# KiCad board RADAR_Main_Board.kicad_pcb (continued)
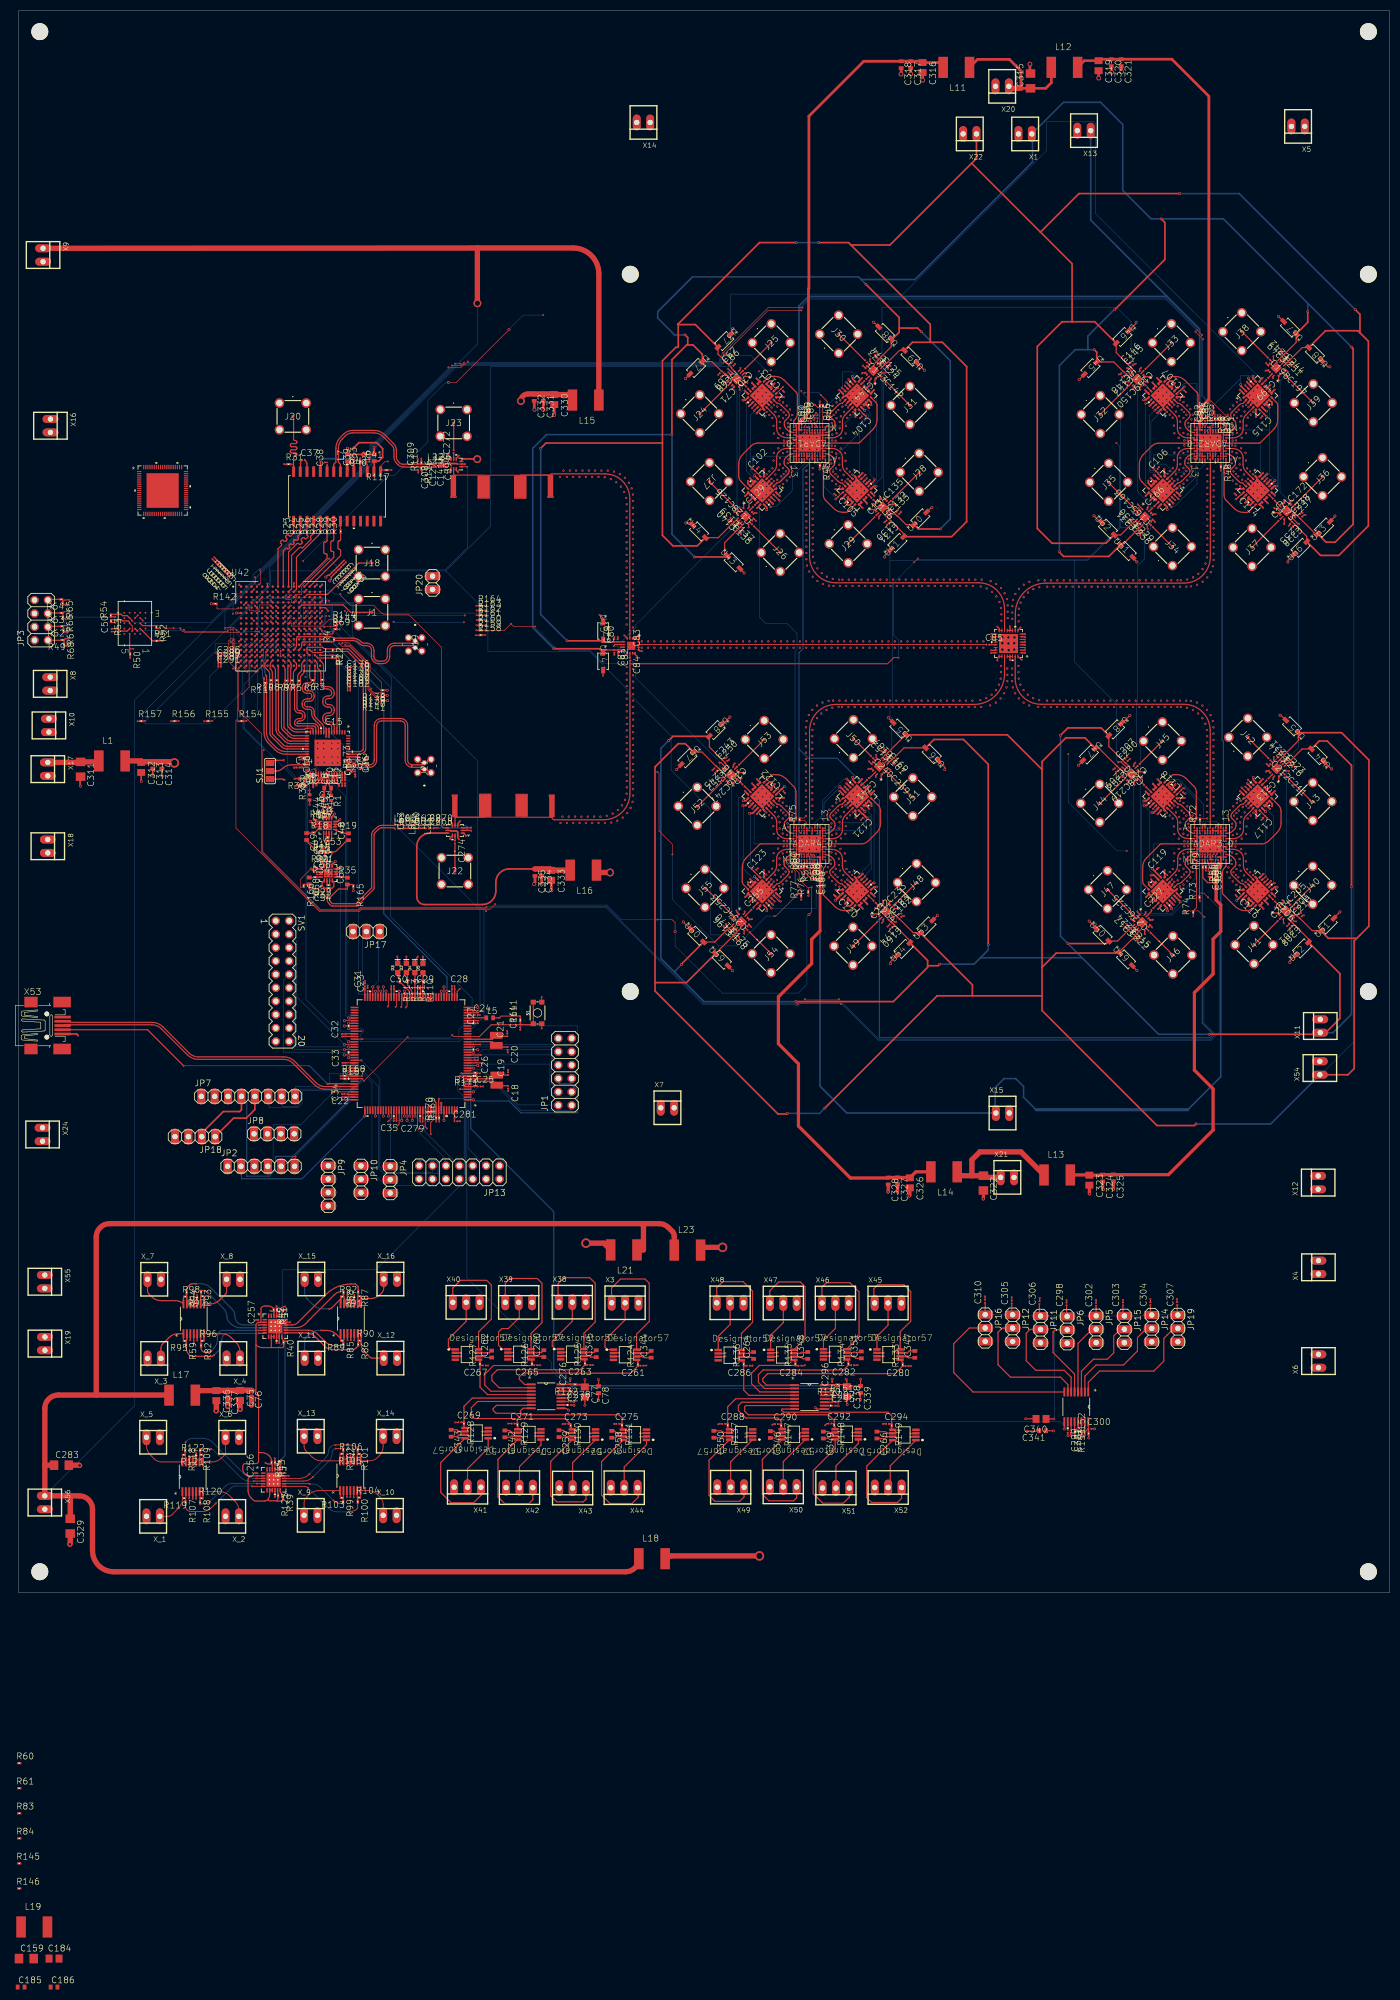
[diagram p0: board, top side]
## Routing (per net, layer and track width the routed paths; a pad name or vN(x,y) marks a point on that pad's centre or on a via; arc(x,y) is an arc through that point) (continued)
  Top w0.5: C315.2 191.8,288.18 v4(191.8,289.85) ; v4(167.35,287.95) 167.38,287.98 C318.2 ; v6(101.03,133.23) 101.03,134.98 arc(101.01,135.04) C333.2 ; C317.2 169.2,289.09 v4(169.2,288) ; v4(204.85,287.2) 204.85,288.57 C319.2 ; C321.2 209.2,289.41 v4(209.2,288.4) ; C334.2 99.19,134.42 arc(99.18,134.37) v6(99.15,134.32) ; C330.2 101.58,223.43 arc(101.57,223.36) v6(101.53,223.3) ; C331.2 99.5,224.34 arc(99.5,224.33) v6(99.5,224.33) ; C332.2 97.79,224.42 arc(97.8,224.37) v6(97.82,224.33) ; v4(171.45,286.8) 171.45,288.22 C316.2 ; C320.2 207.3,289.41 v4(207.3,288.3) ; C335.2 97.93,134.75 arc(97.89,134.55) v6(97.78,134.38)
  Top w0.6: v5(182.97,74.7) 182.98,74.71 C322.2 ; v5(205.69,76.47) 205.59,76.58 C324.2 ; v5(207.6,76.51) 207.63,76.54 C325.2 ; v5(164.9,76) 164.93,76.04 C328.2 ; v5(166.66,76.03) 166.69,76.06 C327.2 ; C326.2 169.03,75.38 v5(168.9,75.26) ; v5(203.12,75.66) 203.08,75.69 C323.2
  Top w1: C76.2 44.17,35.66 arc(44.17,35.63) v6(44.15,35.6) ; C336.2 37.48,34.57 arc(37.47,34.53) v6(37.45,34.5) ; C283.2 11.43,24.2 arc(11.49,24.19) v6(11.55,24.15) ; C337.2 39.69,35.45 arc(39.68,35.39) v6(39.65,35.35) ; C329.2 9.78,9.39 arc(9.76,9.29) v6(9.7,9.2) ; C75.2 41.98,34.85 arc(41.99,34.82) v6(42,34.8)
  Bottom w0.1: v1(212.5,127) v1(212.85,127.35) ; v1(163.6,205.6) 163.5,205.5 163.25,205.75 v1(163.25,206) ; v1(136.45,127.1) 136.5,127.25 136.75,127.5 v1(136.8,127.45) ; v1(237.95,232.2) v1(238.3,232.55) ; v1(238.85,156) 239,156 239.25,156.25 v1(239.2,156.35) ; v1(138.5,204.25) v1(138.15,203.9) ; v1(213.7,127.15) 213.75,127 213.5,126.75 v1(213.35,126.8) ; v1(161.4,231.7) 161.5,231.75 161.75,232 v1(161.75,232.05) ; v1(213.5,203.35) 213.5,203.5 213.75,203.75 v1(213.85,203.65) ; v1(239.95,205.35) 240,205.25 v1(240.3,204.95) ; v1(164.4,129.8) 164.5,129.75 164.75,129.5 v1(164.75,129.45) ; v1(137.3,126.9) 137.25,126.75 137,126.75 v1(136.95,126.6) ; v1(163.8,156.8) v1(163.45,156.45) ; v1(134.8,154.85) 134.75,155 134.5,155.25 v1(134.5,155.2) ; v1(213.75,204.55) 213.75,204.5 213.5,204.25 v1(213.35,204.2) ; v1(136.25,229.5) v1(135.9,229.85) ; v1(240.85,205.45) 240.75,205.5 240.5,205.75 v1(240.5,205.8) ; v1(240.2,129.9) 240.25,129.75 240.5,129.5 v1(240.55,129.55) ; v1(164.15,206.1) 164.5,205.75 v1(164.45,205.75) ; v1(210.8,155) 210.75,155 210.5,155.25 v1(210.5,155.35) ; v1(211.35,155.5) 211.5,155.5 211.75,155.25 v1(211.7,155.1) ; v1(162.95,157) 163,157 v1(163.3,157.3) ; v1(212.45,230.4) 212.5,230.5 212.25,230.75 v1(212.1,230.75) ; v1(137.65,204.45) 137.75,204.5 v1(138.05,204.8) ; 135,155.75 v1(135,155.7) 135,155.5 135.25,155.25 v1(135.35,155.35) ; v1(238.8,232) 238.75,232 v1(238.4,231.65) ; v1(136.45,230.35) 136.5,230.5 136.25,230.75 v1(136.1,230.7) ; v1(164.55,128.6) 164.5,128.75 164.25,129 v1(164.2,128.95) ; v1(239.7,129.4) 239.75,129.25 240,129 v1(240,129.05) ; v1(238.35,156.55) 238.5,156.5 238.75,156.75 v1(238.7,156.85) ; v1(211.9,229.9) 212,230 211.75,230.25 v1(211.6,230.25) ; v1(161.9,231.15) v1(162.25,231.5)
  vias: v1(82,207.8) v1(82.25,151.15) v1(82.45,207.8) v1(82.7,151.15) v1(82.9,207.8) v1(83.15,151.15) v1(87.2,207.65) v1(87.45,151.3) v1(87.65,207.65) v1(87.95,151.3) v1(88.15,207.65) v1(88.45,151.3) v1(88.65,207.65) v1(88.95,151.3) v1(89.15,207.65) v1(89.4,151.3) v1(94.15,207.65) v1(94.4,151.3) v1(94.6,207.65) v1(94.9,151.3) v1(95.1,207.65) v1(95.4,151.3) v1(95.6,207.65) v1(95.9,151.3) v1(96.1,207.65) v1(96.35,151.3) v1(100.4,207.8) v1(100.65,151.15) v1(100.85,207.8) v1(101.1,151.15) v1(101.3,207.8) v1(101.55,151.15) v1(115.68,180.04) v1(115.68,179.59) v1(115.68,179.09) v1(116.18,180.04) v1(116.18,179.09) v1(116.68,180.04) v1(116.68,179.59) v1(116.68,179.09) v1(135.15,154.5) v1(135.6,230.2) v1(135.7,154.95) v1(136.8,229.95) v1(137.2,127.8) v1(137.3,204.1) v1(137.65,127.25) v1(137.8,203.6) v1(146.57,142.49) v1(146.59,140.47) v1(162.1,232.35) v1(162.6,231.85) v1(162.6,156.65) v1(163.05,156.1) v1(163.8,206.45) v1(163.85,129.35) v1(163.95,205.25) v1(165.05,129.1) v1(211,155.85) v1(211.15,154.65) v1(212.25,229.55) v1(212.8,230) v1(213,203.85) v1(213,126.5) v1(213.25,127.7) v1(214.2,204) v1(222.57,142.52) v1(224.04,147.44) v1(238,156.2) v1(238.45,155.65) v1(238.65,232.85) v1(239.01,159.22) v1(239.15,232.35) v1(239.46,159.77) v1(240.35,128.7) v1(240.65,204.6) v1(240.85,129.2) v1(241.15,205.1) v2(102.67,211.56) v2(102.77,145.95) v2(103.14,147.17) v2(103.33,212.78) v2(103.97,211.58) v2(103.99,145.97) v2(104.34,147.17) v2(104.53,212.78) v2(105.17,211.58) v2(105.19,145.97) v2(105.54,147.17) v2(105.73,212.78) v2(106.37,211.58) v2(106.39,145.97) v2(106.74,147.17) v2(106.93,212.78) v2(107.57,211.58) v2(107.59,145.97) v2(107.94,147.17) v2(108.13,212.78) v2(108.77,211.58) v2(108.79,145.97) v2(109.14,147.17) v2(109.33,212.78) v2(109.97,211.58) v2(109.99,145.97) v2(110.34,147.17) v2(110.53,212.78) v2(111.16,211.51) v2(111.19,145.97) v2(111.53,147.31) v2(111.73,212.78) v2(112.31,211.17) v2(112.38,146.04) v2(112.65,147.74) v2(112.91,212.58) v2(113.35,210.57) v2(113.53,146.39) v2(113.63,148.41) v2(114.02,212.12) v2(114.21,209.74) v2(114.43,149.3) v2(114.56,146.99) v2(114.85,208.73) v2(114.98,211.4) v2(115,150.36) v2(115.23,207.59) v2(115.33,206.4) v2(115.31,205.09) v2(115.31,203.89) v2(115.31,202.69) v2(115.31,201.49) v2(115.31,200.4) v2(115.31,199.2) v2(115.31,198) v2(115.31,196.8) v2(115.31,195.6) v2(115.31,194.4) v2(115.31,193.2) v2(115.31,192) v2(115.31,190.8) v2(115.31,189.6) v2(115.31,188.4) v2(115.31,187.2) v2(115.31,186) v2(115.31,184.8) v2(115.31,183.6) v2(115.33,175.52) v2(115.33,174.32) v2(115.33,173.12) v2(115.33,171.92) v2(115.33,170.72) v2(115.33,169.52) v2(115.33,168.32) v2(115.33,167.12) v2(115.33,165.92) v2(115.33,164.72) v2(115.33,163.52) v2(115.33,162.32) v2(115.33,161.12) v2(115.33,159.92) v2(115.33,158.72) v2(115.33,157.52) v2(115.33,156.32) v2(115.33,155.12) v2(115.33,153.92) v2(115.33,152.72) v2(115.29,151.52) v2(115.42,147.83) v2(115.74,210.48) v2(116.06,148.84) v2(116.26,209.4) v2(116.43,149.98) v2(116.51,208.23) v2(116.53,207.03) v2(116.51,205.72) v2(116.51,204.52) v2(116.51,203.32) v2(116.51,202.12) v2(116.51,201.03) v2(116.51,199.83) v2(116.51,198.63) v2(116.51,197.43) v2(116.51,196.23) v2(116.51,195.03) v2(116.51,193.83) v2(116.51,192.63) v2(116.51,191.43) v2(116.51,190.23) v2(116.51,189.03) v2(116.51,187.83) v2(116.51,186.63) v2(116.51,185.43) v2(116.51,184.23) v2(116.51,183.03) v2(116.53,175.17) v2(116.53,173.97) v2(116.53,172.77) v2(116.53,171.57) v2(116.53,170.37) v2(116.53,169.17) v2(116.53,167.97) v2(116.53,166.77) v2(116.53,165.57) v2(116.53,164.37) v2(116.53,163.17) v2(116.53,161.97) v2(116.53,160.77) v2(116.53,159.57) v2(116.53,158.37) v2(116.53,157.17) v2(116.53,155.97) v2(116.53,154.77) v2(116.53,153.57) v2(116.53,152.37) v2(116.53,151.17) v2(118.18,180.39) v2(118.18,179.19) v2(119.38,180.39) v2(119.38,179.19) v2(120.58,180.39) v2(120.58,179.19) v2(121.78,180.39) v2(121.78,179.19) v2(122.98,180.39) v2(122.98,179.19) v2(124.18,180.39) v2(124.18,179.19) v2(125.38,180.39) v2(125.38,179.19) v2(126.58,180.39) v2(126.58,179.19) v2(127.78,180.39) v2(127.78,179.19) v2(128.98,180.39) v2(128.98,179.19) v2(130.18,180.39) v2(130.18,179.19) v2(131.38,180.39) v2(131.38,179.19) v2(132.58,180.39) v2(132.58,179.19) v2(133.78,180.39) v2(133.78,179.19) v2(134.98,180.39) v2(134.98,179.19) v2(136.18,180.39) v2(136.18,179.19) v2(137.38,180.39) v2(137.38,179.19) v2(138.58,180.39) v2(138.58,179.19) v2(139.78,180.39) v2(139.78,179.19) v2(140.98,180.39) v2(140.98,179.19) v2(141.8,147.98) v2(141.8,136.17) v2(141.85,223.88) v2(141.85,212.07) v2(142.18,180.39) v2(142.18,179.19) v2(142.33,147.43) v2(142.33,136.72) v2(142.38,223.33) v2(142.38,212.62) v2(142.79,224.75) v2(142.94,222.76) v2(142.94,213.19) v2(142.89,146.86) v2(142.89,137.29) v2(143.12,145.36) v2(143.12,138.79) v2(143.24,225.2) v2(143.17,221.26) v2(143.17,214.69) v2(143.2,143.9) v2(143.2,140.25) v2(143.25,219.8) v2(143.25,216.15) v2(143.38,180.39) v2(143.38,179.19) v2(143.53,223.92) v2(143.53,212.03) v2(143.48,148.02) v2(143.48,136.13) v2(143.83,149.02) v2(143.83,135.13) v2(143.88,224.92) v2(143.88,211.03) v2(144.03,143.04) v2(144.03,141.11) v2(144.08,218.94) v2(144.08,217.01) v2(144.1,147.16) v2(144.1,136.99) v2(144.15,223.06) v2(144.15,212.89) v2(144.24,150.2) v2(144.24,133.95) v2(144.29,226.1) v2(144.29,209.85) v2(144.32,146.11) v2(144.32,144.91) v2(144.32,139.24) v2(144.32,138.04) v2(144.37,222.01) v2(144.37,220.81) v2(144.37,215.14) v2(144.37,213.94) v2(144.63,224.27) v2(144.63,211.68) v2(144.58,180.39) v2(144.58,179.19) v2(144.58,148.37) v2(144.58,135.78) v2(144.93,149.82) v2(144.93,146.82) v2(144.91,143.96) v2(144.91,140.19) v2(144.93,137.33) v2(144.93,134.33) v2(144.98,225.72) v2(144.98,222.72) v2(144.96,219.86) v2(144.96,216.09) v2(144.98,213.23) v2(144.98,210.23) v2(145.03,147.92) v2(145.03,136.23) v2(145.08,223.82) v2(145.08,212.13) v2(145.11,142.55) v2(145.11,141.55) v2(145.16,218.45) v2(145.16,217.5) v2(145.53,223.32) v2(145.53,212.63) v2(145.48,147.42) v2(145.48,136.73) v2(145.63,149.17) v2(145.63,134.98) v2(145.68,225.07) v2(145.68,210.88) v2(145.74,143.7) v2(145.74,140.45) v2(145.79,219.6) v2(145.78,218.44) v2(145.8,217.55) v2(145.79,216.35) v2(145.78,180.39) v2(145.78,179.19) v2(145.83,145.87) v2(145.75,142.5) v2(145.75,141.55) v2(145.83,138.28) v2(145.88,221.77) v2(145.88,214.18) v2(145.93,145.17) v2(145.93,138.98) v2(145.98,221.07) v2(145.98,214.88) v2(146.13,137.76) v2(146.23,148.47) v2(146.23,135.68) v2(146.28,224.37) v2(146.28,211.58) v2(146.43,146.52) v2(146.48,222.42) v2(146.48,213.53) v2(146.73,223.32) v2(146.73,212.63) v2(146.68,147.42) v2(146.68,136.73) v2(146.98,180.39) v2(146.98,179.19) v2(148.18,180.39) v2(148.18,179.19) v2(149.32,164.1) v2(149.32,162.9) v2(149.32,161.7) v2(149.32,160.5) v2(149.32,159.3) v2(149.32,158.1) v2(149.32,156.9) v2(149.32,155.7) v2(149.32,154.5) v2(149.32,153.3) v2(149.32,152.1) v2(149.32,150.9) v2(149.32,149.7) v2(149.32,148.5) v2(149.4,212.76) v2(149.4,211.56) v2(149.4,210.36) v2(149.4,209.16) v2(149.4,207.96) v2(149.4,206.76) v2(149.4,205.56) v2(149.4,204.36) v2(149.4,203.16) v2(149.4,201.96) v2(149.4,200.76) v2(149.4,199.56) v2(149.4,198.36) v2(149.4,197.16) v2(149.4,195.96) v2(149.38,180.39) v2(149.38,179.19) v2(149.53,194.77) v2(149.45,165.29) v2(149.94,193.64) v2(149.86,166.42) v2(150.52,167.42) v2(150.52,162.42) v2(150.52,161.22) v2(150.52,160.02) v2(150.52,158.82) v2(150.52,157.62) v2(150.52,156.42) v2(150.52,155.22) v2(150.52,154.02) v2(150.52,152.82) v2(150.52,151.62) v2(150.52,150.42) v2(150.52,149.22) v2(150.52,148.02) v2(150.52,146.82) v2(150.6,213.25) v2(150.6,212.05) v2(150.6,210.85) v2(150.6,209.65) v2(150.6,208.45) v2(150.6,207.25) v2(150.6,206.05) v2(150.6,204.85) v2(150.6,203.65) v2(150.6,202.45) v2(150.6,201.25) v2(150.6,200.05) v2(150.6,198.85) v2(150.6,197.65) v2(150.64,196.45) v2(150.6,192.65) v2(150.58,180.39) v2(150.58,179.19) v2(150.56,163.61) v2(150.94,195.29) v2(150.86,164.77) v2(151.41,168.22) v2(151.42,165.83) v2(151.5,194.23) v2(151.49,191.84) v2(151.78,180.39) v2(151.78,179.19) v2(152.22,166.72) v2(152.3,193.34) v2(152.54,191.26) v2(152.46,168.8) v2(152.98,180.39) v2(152.98,179.19) v2(153.21,167.4) v2(153.22,136.68) v2(153.27,212.58) v2(153.29,192.67) v2(153.32,147.42) v2(153.37,223.32) v2(153.52,213.48) v2(153.47,137.58) v2(153.62,222.42) v2(153.61,169.11) v2(153.57,146.52) v2(153.72,211.53) v2(153.69,190.95) v2(153.67,135.63) v2(153.82,224.37) v2(153.77,148.47) v2(154.02,214.83) v2(153.97,138.93) v2(154.12,221.07) v2(154.12,214.13) v2(154.07,145.17) v2(154.07,138.23) v2(154.22,221.77) v2(154.2,217.5) v2(154.21,216.3) v2(154.18,180.39) v2(154.18,179.19) v2(154.17,145.87) v2(154.15,141.53) v2(154.16,140.4) v2(154.31,219.6) v2(154.3,218.48) v2(154.32,210.83) v2(154.33,167.82) v2(154.26,143.7) v2(154.25,142.43) v2(154.27,134.93) v2(154.42,225.07) v2(154.41,192.24) v2(154.37,149.17) v2(154.42,136.68) v2(154.47,212.58) v2(154.48,169.16) v2(154.52,147.42) v2(154.57,223.32) v2(154.56,190.9) v2(154.84,217.45) v2(154.79,141.55) v2(154.94,218.45) v2(154.92,212.08) v2(154.87,136.18) v2(155.02,223.82) v2(155.04,216.04) v2(155.02,213.18) v2(155.02,210.18) v2(154.97,147.92) v2(154.99,142.47) v2(154.99,140.14) v2(154.97,137.28) v2(154.97,134.28) v2(155.12,225.72) v2(155.12,222.72) v2(155.14,219.86) v2(155.07,149.82) v2(155.07,146.82) v2(155.09,143.96) v2(155.32,135.73) v2(155.37,211.63) v2(155.38,180.39) v2(155.38,179.19) v2(155.42,148.37) v2(155.47,224.27) v2(155.52,167.96) v2(155.63,215.09) v2(155.63,213.89) v2(155.6,192.1) v2(155.58,139.19) v2(155.58,137.99) v2(155.73,222.01) v2(155.73,220.81) v2(155.71,209.8) v2(155.68,169.16) v2(155.68,146.11) v2(155.68,144.91) v2(155.66,133.9) v2(155.85,212.84) v2(155.76,190.9) v2(155.8,136.94) v2(155.95,223.06) v2(155.92,216.96) v2(155.9,147.16) v2(155.87,141.06) v2(156.02,218.94) v2(155.97,143.04) v2(156.12,210.98) v2(156.07,135.08) v2(156.22,224.92) v2(156.25,192.1) v2(156.17,167.96) v2(156.17,149.02) v2(156.42,136.08) v2(156.47,211.98) v2(156.52,148.02) v2(156.57,223.92) v2(156.58,180.39) v2(156.58,179.19) v2(156.75,216.1) v2(156.7,140.2) v2(156.85,219.8) v2(156.83,214.64) v2(156.8,143.9) v2(156.78,138.74) v2(156.93,221.26) v2(156.88,169.16) v2(156.88,145.36) v2(156.96,190.9) v2(157.01,137.24) v2(157.06,213.14) v2(157.11,146.86) v2(157.16,222.76) v2(157.45,192.1) v2(157.37,167.96) v2(157.62,212.57) v2(157.57,136.67) v2(157.72,223.33) v2(157.67,147.43) v2(157.78,180.39) v2(157.78,179.19) v2(158.08,169.16) v2(158.1,136.12) v2(158.25,223.88) v2(158.16,190.9) v2(158.2,147.98) v2(158.65,192.1) v2(158.57,167.96) v2(158.98,180.39) v2(158.98,179.19) v2(159.28,169.16) v2(159.36,190.9) v2(159.85,192.1) v2(159.77,167.96) v2(160.18,180.39) v2(160.18,179.19) v2(160.48,169.16) v2(160.56,190.9) v2(161.05,192.1) v2(160.97,167.96) v2(161.38,180.39) v2(161.38,179.19) v2(161.68,169.16) v2(161.76,190.9) v2(162.25,192.1) v2(162.17,167.96) v2(162.58,180.39) v2(162.58,179.19) v2(162.88,169.16) v2(162.96,190.9) v2(163.45,192.1) v2(163.37,167.96) v2(163.78,180.39) v2(163.78,179.19) v2(164.08,169.16) v2(164.16,190.9) v2(164.65,192.1) v2(164.57,167.96) v2(164.98,180.39) v2(164.98,179.19) v2(165.28,169.16) v2(165.36,190.9) v2(165.85,192.1) v2(165.77,167.96) v2(166.18,180.39) v2(166.18,179.19) v2(166.48,169.16) v2(166.56,190.9) v2(167.05,192.1) v2(166.97,167.96) v2(167.38,180.39) v2(167.38,179.19) v2(167.68,169.16) v2(167.76,190.9) v2(168.25,192.1) v2(168.17,167.96) v2(168.58,180.39) v2(168.58,179.19) v2(168.88,169.16) v2(168.96,190.9) v2(169.45,192.1) v2(169.37,167.96) v2(169.78,180.39) v2(169.78,179.19) v2(170.08,169.16) v2(170.16,190.9) v2(170.65,192.1) v2(170.57,167.96) v2(170.98,180.39) v2(170.98,179.19) v2(171.28,169.16) v2(171.36,190.9) v2(171.85,192.1) v2(171.77,167.96) v2(172.18,180.39) v2(172.18,179.19) v2(172.48,169.16) v2(172.56,190.9) v2(173.05,192.1) v2(172.97,167.96) v2(173.38,180.39) v2(173.38,179.19) v2(173.68,169.16) v2(173.76,190.9) v2(174.25,192.1) v2(174.17,167.96) v2(174.58,180.39) v2(174.58,179.19) v2(174.88,169.16) v2(174.96,190.9) v2(175.45,192.1) v2(175.37,167.96) v2(175.78,180.39) v2(175.78,179.19) v2(176.08,169.16) v2(176.16,190.9) v2(176.65,192.1) v2(176.57,167.96) v2(176.98,180.39) v2(176.98,179.19) v2(177.28,169.16) v2(177.36,190.9) v2(177.85,192.1) v2(177.77,167.96) v2(178.18,180.39) v2(178.18,179.19) v2(178.48,169.16) v2(178.56,190.9) v2(179.05,192.1) v2(178.97,167.96) v2(179.38,180.39) v2(179.38,179.19) v2(179.68,169.16) v2(179.76,190.9) v2(180.25,192.1) v2(180.17,167.96) v2(180.58,180.39) v2(180.58,179.19) v2(180.88,169.16) v2(180.96,190.9) v2(181.45,192.1) v2(181.37,167.96) v2(181.78,180.39) v2(181.78,179.19) v2(182.38,169.26) v2(182.46,190.8) v2(182.65,192.1) v2(182.57,167.96) v2(182.98,180.39) v2(182.98,179.19) v2(183.52,169.64) v2(183.6,190.42) v2(184.35,191.81) v2(184.27,168.25) v2(184.53,170.28) v2(184.61,189.78) v2(185.34,168.79) v2(185.42,191.27) v2(185.43,188.91) v2(185.35,171.15) v2(185.94,172.19) v2(186.02,187.87) v2(186.24,169.57) v2(186.32,190.49) v2(186.34,186.71) v2(186.31,175.74) v2(186.31,174.54) v2(186.26,173.35) v2(186.39,185.52) v2(186.39,184.32) v2(186.93,170.55) v2(187.01,189.51) v2(187.44,188.39) v2(187.36,171.67) v2(187.51,175.26) v2(187.51,174.06) v2(187.51,172.86) v2(187.59,187.21) v2(187.59,186.01) v2(187.59,184.81) v2(188.43,175.25) v2(188.43,174.05) v2(188.43,172.85) v2(188.46,187.08) v2(188.46,185.88) v2(188.46,184.68) v2(188.61,188.26) v2(188.58,171.66) v2(189.04,189.38) v2(189.01,170.55) v2(189.63,175.74) v2(189.63,174.54) v2(189.73,190.36) v2(189.71,186.58) v2(189.66,185.39) v2(189.66,184.19) v2(189.68,173.34) v2(189.7,169.57) v2(190.03,187.74) v2(190,172.19) v2(190.63,191.14) v2(190.62,188.78) v2(190.59,171.15) v2(190.6,168.79) v2(191.44,189.65) v2(191.41,170.28) v2(191.7,191.68) v2(191.67,168.25) v2(192.42,169.63) v2(192.45,190.29) v2(193.4,191.97) v2(193.37,167.96) v2(193.58,190.67) v2(193.55,169.26) v2(194.6,191.97) v2(194.57,167.96) v2(195.09,190.77) v2(195.06,169.16) v2(195.8,191.97) v2(195.77,167.96) v2(196.29,190.77) v2(196.26,169.16) v2(197,191.97) v2(196.97,167.96) v2(197.49,190.77) v2(197.46,169.16) v2(198.2,191.97) v2(198.17,167.96) v2(198.69,190.77) v2(198.66,169.16) v2(199.4,191.97) v2(199.37,167.96) v2(199.89,190.77) v2(199.86,169.16) v2(200.6,191.97) v2(200.57,167.96) v2(201.09,190.77) v2(201.06,169.16) v2(201.8,191.97) v2(201.77,167.96) v2(202.29,190.77) v2(202.26,169.16) v2(203,191.97) v2(202.97,167.96) v2(203.49,190.77) v2(203.46,169.16) v2(204.2,191.97) v2(204.17,167.96) v2(204.69,190.77) v2(204.66,169.16) v2(205.4,191.97) v2(205.37,167.96) v2(205.89,190.77) v2(205.86,169.16) v2(206.6,191.97) v2(206.57,167.96) v2(207.09,190.77) v2(207.06,169.16) v2(207.8,191.97) v2(207.77,167.96) v2(208.29,190.77) v2(208.26,169.16) v2(209,191.97) v2(208.97,167.96) v2(209.49,190.77) v2(209.46,169.16) v2(210.2,191.97) v2(210.17,167.96) v2(210.69,190.77) v2(210.66,169.16) v2(211.4,191.97) v2(211.37,167.96) v2(211.89,190.77) v2(211.86,169.16) v2(212.6,191.97) v2(212.57,167.96) v2(213.09,190.77) v2(213.06,169.16) v2(213.8,191.97) v2(213.77,167.96) v2(214.29,190.77) v2(214.26,169.16) v2(215,191.97) v2(214.97,167.96) v2(215.49,190.77) v2(215.46,169.16) v2(216.2,191.97) v2(216.17,167.96) v2(216.69,190.77) v2(216.66,169.16) v2(217.4,191.97) v2(217.37,167.96) v2(217.8,136.12) v2(217.88,212.15) v2(217.89,190.77) v2(217.86,169.16) v2(218.33,223.38) v2(218.33,212.67) v2(218.33,147.38) v2(218.33,136.67) v2(218.6,191.97) v2(218.57,167.96) v2(218.89,222.81) v2(218.89,213.24) v2(218.89,146.81) v2(218.89,137.24) v2(219.12,221.31) v2(219.12,214.74) v2(219.09,190.77) v2(219.06,169.16) v2(219.12,145.31) v2(219.12,138.74) v2(219.2,219.85) v2(219.2,216.2) v2(219.2,143.85) v2(219.2,140.2) v2(219.48,223.97) v2(219.48,212.08) v2(219.48,147.97) v2(219.48,136.08) v2(219.83,224.97) v2(219.83,211.08) v2(219.8,191.97) v2(219.77,167.96) v2(219.83,148.97) v2(219.83,135.08) v2(220.03,218.99) v2(220.03,217.06) v2(220.03,142.99) v2(220.03,141.06) v2(220.1,223.11) v2(220.1,212.94) v2(220.1,147.11) v2(220.1,136.94) v2(220.24,226.15) v2(220.24,150.15) v2(220.24,133.9) v2(220.32,222.06) v2(220.32,220.86) v2(220.32,215.19) v2(220.32,213.99) v2(220.29,190.77) v2(220.26,169.16) v2(220.32,146.06) v2(220.32,144.86) v2(220.32,139.19) v2(220.32,137.99) v2(220.45,191.97) v2(220.42,167.96) v2(220.58,224.32) v2(220.58,211.73) v2(220.58,148.32) v2(220.58,135.73) v2(220.93,225.77) v2(220.93,222.77) v2(220.91,219.91) v2(220.91,216.14) v2(220.93,213.28) v2(220.93,210.28) v2(220.93,149.77) v2(220.93,146.77) v2(220.91,143.91) v2(220.91,140.14) v2(220.93,137.28) v2(220.93,134.28) v2(221.03,223.87) v2(221.03,212.18) v2(221.03,147.87) v2(221.03,136.18) v2(221.11,218.5) v2(221.11,217.55) v2(221.11,142.5) v2(221.11,141.55) v2(221.48,223.37) v2(221.48,212.68) v2(221.49,190.77) v2(221.46,169.16) v2(221.48,147.37) v2(221.48,136.68) v2(221.63,225.12) v2(221.63,210.93) v2(221.64,192.11) v2(221.61,167.81) v2(221.63,149.12) v2(221.63,134.93) v2(221.74,219.65) v2(221.74,216.4) v2(221.74,143.65) v2(221.74,140.4) v2(221.83,221.82) v2(221.75,218.45) v2(221.78,217.55) v2(221.83,214.23) v2(221.83,145.82) v2(221.75,142.45) v2(221.78,141.55) v2(221.83,138.23) v2(221.93,221.12) v2(221.93,214.93) v2(221.93,145.12) v2(221.93,138.93) v2(222.23,224.42) v2(222.23,211.63) v2(222.23,148.42) v2(222.23,135.63) v2(222.33,169.11) v2(222.43,222.47) v2(222.43,213.58) v2(222.36,190.82) v2(222.43,146.47) v2(222.43,137.58) v2(222.68,223.37) v2(222.68,212.68) v2(222.73,167.39) v2(222.68,147.37) v2(222.68,136.68) v2(222.76,192.53) v2(223.51,191.13) v2(223.48,168.8) v2(223.74,193.21) v2(223.71,166.72) v2(224.54,194.1) v2(224.53,168.22) v2(224.51,165.83) v2(224.56,191.71) v2(225.11,195.16) v2(225.08,164.77) v2(225.45,213.11) v2(225.45,211.91) v2(225.45,210.71) v2(225.45,209.51) v2(225.45,208.31) v2(225.45,207.11) v2(225.45,205.91) v2(225.45,204.71) v2(225.45,203.51) v2(225.45,202.31) v2(225.45,201.11) v2(225.45,199.91) v2(225.45,198.71) v2(225.45,197.51) v2(225.4,196.32) v2(225.44,192.52) v2(225.41,167.41) v2(225.37,163.61) v2(225.42,162.41) v2(225.42,161.21) v2(225.42,160.01) v2(225.42,158.81) v2(225.42,157.61) v2(225.42,156.41) v2(225.42,155.21) v2(225.42,154.01) v2(225.42,152.81) v2(225.42,151.61) v2(225.42,150.41) v2(225.42,149.21) v2(225.42,148.01) v2(226.11,193.51) v2(226.08,166.42) v2(226.52,194.64) v2(226.49,165.29) v2(226.65,212.63) v2(226.65,211.43) v2(226.65,210.23) v2(226.65,209.03) v2(226.65,207.83) v2(226.65,206.63) v2(226.65,205.43) v2(226.65,204.23) v2(226.65,203.03) v2(226.65,201.83) v2(226.65,200.63) v2(226.65,199.43) v2(226.65,198.23) v2(226.65,197.03) v2(226.65,195.83) v2(226.62,164.1) v2(226.62,162.9) v2(226.62,161.7) v2(226.62,160.5) v2(226.62,159.3) v2(226.62,158.1) v2(226.62,156.9) v2(226.62,155.7) v2(226.62,154.5) v2(226.62,153.3) v2(226.62,152.1) v2(226.62,150.9) v2(226.62,149.7) v2(226.62,148.5) v2(226.62,147.3) v2(229.22,212.63) v2(229.22,136.63) v2(229.32,223.37) v2(229.32,147.37) v2(229.47,213.53) v2(229.47,137.53) v2(229.57,222.47) v2(229.57,146.47) v2(229.67,211.58) v2(229.67,135.58) v2(229.77,224.42) v2(229.77,148.42) v2(229.97,214.88) v2(229.97,138.88) v2(230.07,221.12) v2(230.07,214.18) v2(230.07,145.12) v2(230.07,138.18) v2(230.17,221.82) v2(230.15,217.55) v2(230.16,216.35) v2(230.17,145.82) v2(230.15,141.55) v2(230.16,140.35) v2(230.26,219.65) v2(230.25,218.45) v2(230.27,210.88) v2(230.26,143.65) v2(230.25,142.45) v2(230.27,134.88) v2(230.37,225.12) v2(230.42,212.63) v2(230.37,149.12) v2(230.42,136.63) v2(230.52,223.37) v2(230.52,147.37) v2(230.79,217.5) v2(230.79,141.5) v2(230.89,218.5) v2(230.87,212.13) v2(230.89,142.5) v2(230.87,136.13) v2(230.97,223.87) v2(230.99,216.09) v2(230.97,213.23) v2(230.97,210.23) v2(230.97,147.87) v2(230.99,140.09) v2(230.97,137.23) v2(230.97,134.23) v2(231.07,225.77) v2(231.07,222.77) v2(231.09,219.91) v2(231.07,149.77) v2(231.07,146.77) v2(231.09,143.91) v2(231.32,211.68) v2(231.32,135.68) v2(231.42,224.32) v2(231.42,148.32) v2(231.58,215.14) v2(231.58,213.94) v2(231.58,139.14) v2(231.58,137.94) v2(231.68,222.06) v2(231.68,220.86) v2(231.66,209.85) v2(231.68,146.06) v2(231.68,144.86) v2(231.66,133.85) v2(231.76,226.15) v2(231.8,212.89) v2(231.8,136.89) v2(231.9,223.11) v2(231.87,217.01) v2(231.9,147.11) v2(231.87,141.01) v2(231.97,218.99) v2(231.97,142.99) v2(232.07,211.03) v2(232.07,135.03) v2(232.17,224.97) v2(232.17,148.97) v2(232.42,212.03) v2(232.42,136.03) v2(232.52,223.97) v2(232.52,147.97) v2(232.7,216.15) v2(232.7,140.15) v2(232.8,219.85) v2(232.78,214.69) v2(232.8,143.85) v2(232.78,138.69) v2(232.88,221.31) v2(232.88,145.31) v2(233.01,213.19) v2(233.01,137.19) v2(233.11,222.81) v2(233.11,146.81) v2(233.57,212.62) v2(233.57,136.62) v2(233.67,223.38) v2(233.67,147.38) v2(234.2,223.93) v2(234.2,147.93) v3(56.7,161.1) v3(56.7,160.05) v3(56.75,158.4) v3(56.75,157.4) v3(57.85,161.1) v3(57.85,160.05) v3(57.9,158.45) v3(57.95,157.4) v3(58.2,145.93) v3(58.2,145.03) v3(58.32,136.93) v3(58.32,136.03) v3(59.02,145.9) v3(59.15,136.9) v3(59.4,161.1) v3(59.35,160.05) v3(59.5,157.35) v3(60.5,157.35) v3(60.55,161.1) v3(60.55,160.05) v3(60.55,158.45) v3(139.57,226.97) v3(139.6,208.93) v3(139.62,151) v3(139.62,132.9) v3(140.2,227.75) v3(140.22,226.25) v3(140.28,208.18) v3(140.25,151.78) v3(140.28,150.28) v3(140.3,132.15) v3(140.42,209.73) v3(140.45,133.7) v3(140.95,228.43) v3(141,152.45) v3(141.05,207.55) v3(141.07,149.53) v3(141.07,131.53) v3(141.15,210.48) v3(141.17,134.45) v3(141.75,227.6) v3(141.78,208.2) v3(141.8,151.62) v3(141.8,132.18) v3(141.88,209.78) v3(141.85,150.18) v3(141.9,133.75) v3(142.5,226.88) v3(142.55,150.9) v3(150,219.05) v3(150.03,216.82) v3(149.95,143.18) v3(157.5,227) v3(157.5,209.07) v3(157.53,150.98) v3(157.55,133.1) v3(158.15,226.22) v3(158.2,209.8) v3(158.17,150.2) v3(158.25,227.8) v3(158.25,208.35) v3(158.28,151.78) v3(158.25,133.82) v3(158.3,132.38) v3(158.88,225.53) v3(158.9,149.5) v3(158.97,228.45) v3(158.97,210.45) v3(159,152.43) v3(159.03,134.48) v3(159.05,207.53) v3(159.1,131.55) v3(159.6,226.28) v3(159.62,150.25) v3(159.75,227.83) v3(159.78,209.7) v3(159.8,208.2) v3(159.78,151.8) v3(159.82,133.73) v3(159.85,132.23) v3(160.42,227.08) v3(160.42,208.98) v3(160.45,151.05) v3(160.47,133) v3(215.55,227.03) v3(215.57,208.98) v3(215.62,150.98) v3(215.62,132.88) v3(216.17,227.8) v3(216.2,226.3) v3(216.25,208.23) v3(216.25,151.75) v3(216.28,150.25) v3(216.3,132.12) v3(216.4,209.78) v3(216.45,133.68) v3(216.92,228.47) v3(217,225.55) v3(217.03,207.6) v3(217,152.43) v3(217.12,210.53) v3(217.07,149.5) v3(217.07,131.5) v3(217.17,134.43) v3(217.72,227.65) v3(217.78,226.2) v3(217.75,208.25) v3(217.8,151.6) v3(217.8,132.15) v3(217.85,209.82) v3(217.85,150.15) v3(217.9,133.73) v3(218.47,226.93) v3(218.5,209.05) v3(218.55,150.88) v3(226.03,216.82) v3(225.95,143.2) v3(225.97,140.98) v3(227.3,142) v3(227.38,219.03) v3(227.38,216.82) v3(233.47,209.12) v3(233.53,150.95) v3(233.55,133.07) v3(234.12,226.28) v3(234.22,227.85) v3(234.17,209.85) v3(234.22,208.4) v3(234.17,150.18) v3(234.28,151.75) v3(234.25,133.8) v3(234.3,132.35) v3(234.85,225.58) v3(234.9,149.48) v3(234.95,228.5) v3(234.95,210.5) v3(235.03,207.57) v3(235,152.4) v3(235.03,134.45) v3(235.1,131.53) v3(235.57,226.33) v3(235.62,150.23) v3(235.72,227.88) v3(235.75,209.75) v3(235.78,208.25) v3(235.78,151.78) v3(235.82,133.7) v3(235.85,132.2) v3(236.4,227.12) v3(236.4,209.03) v3(236.45,151.03) v3(236.47,132.98) v6(186.58,181.19) v6(186.58,180.04) v6(186.58,178.84) v6(187.73,181.14) v6(187.78,178.74) v6(188.83,180.04) v6(188.83,178.84) v6(188.88,181.14)
